# Altium PCB TAUV-Regulated_Power_board.PcbDoc (part 2 of 2) (continued)
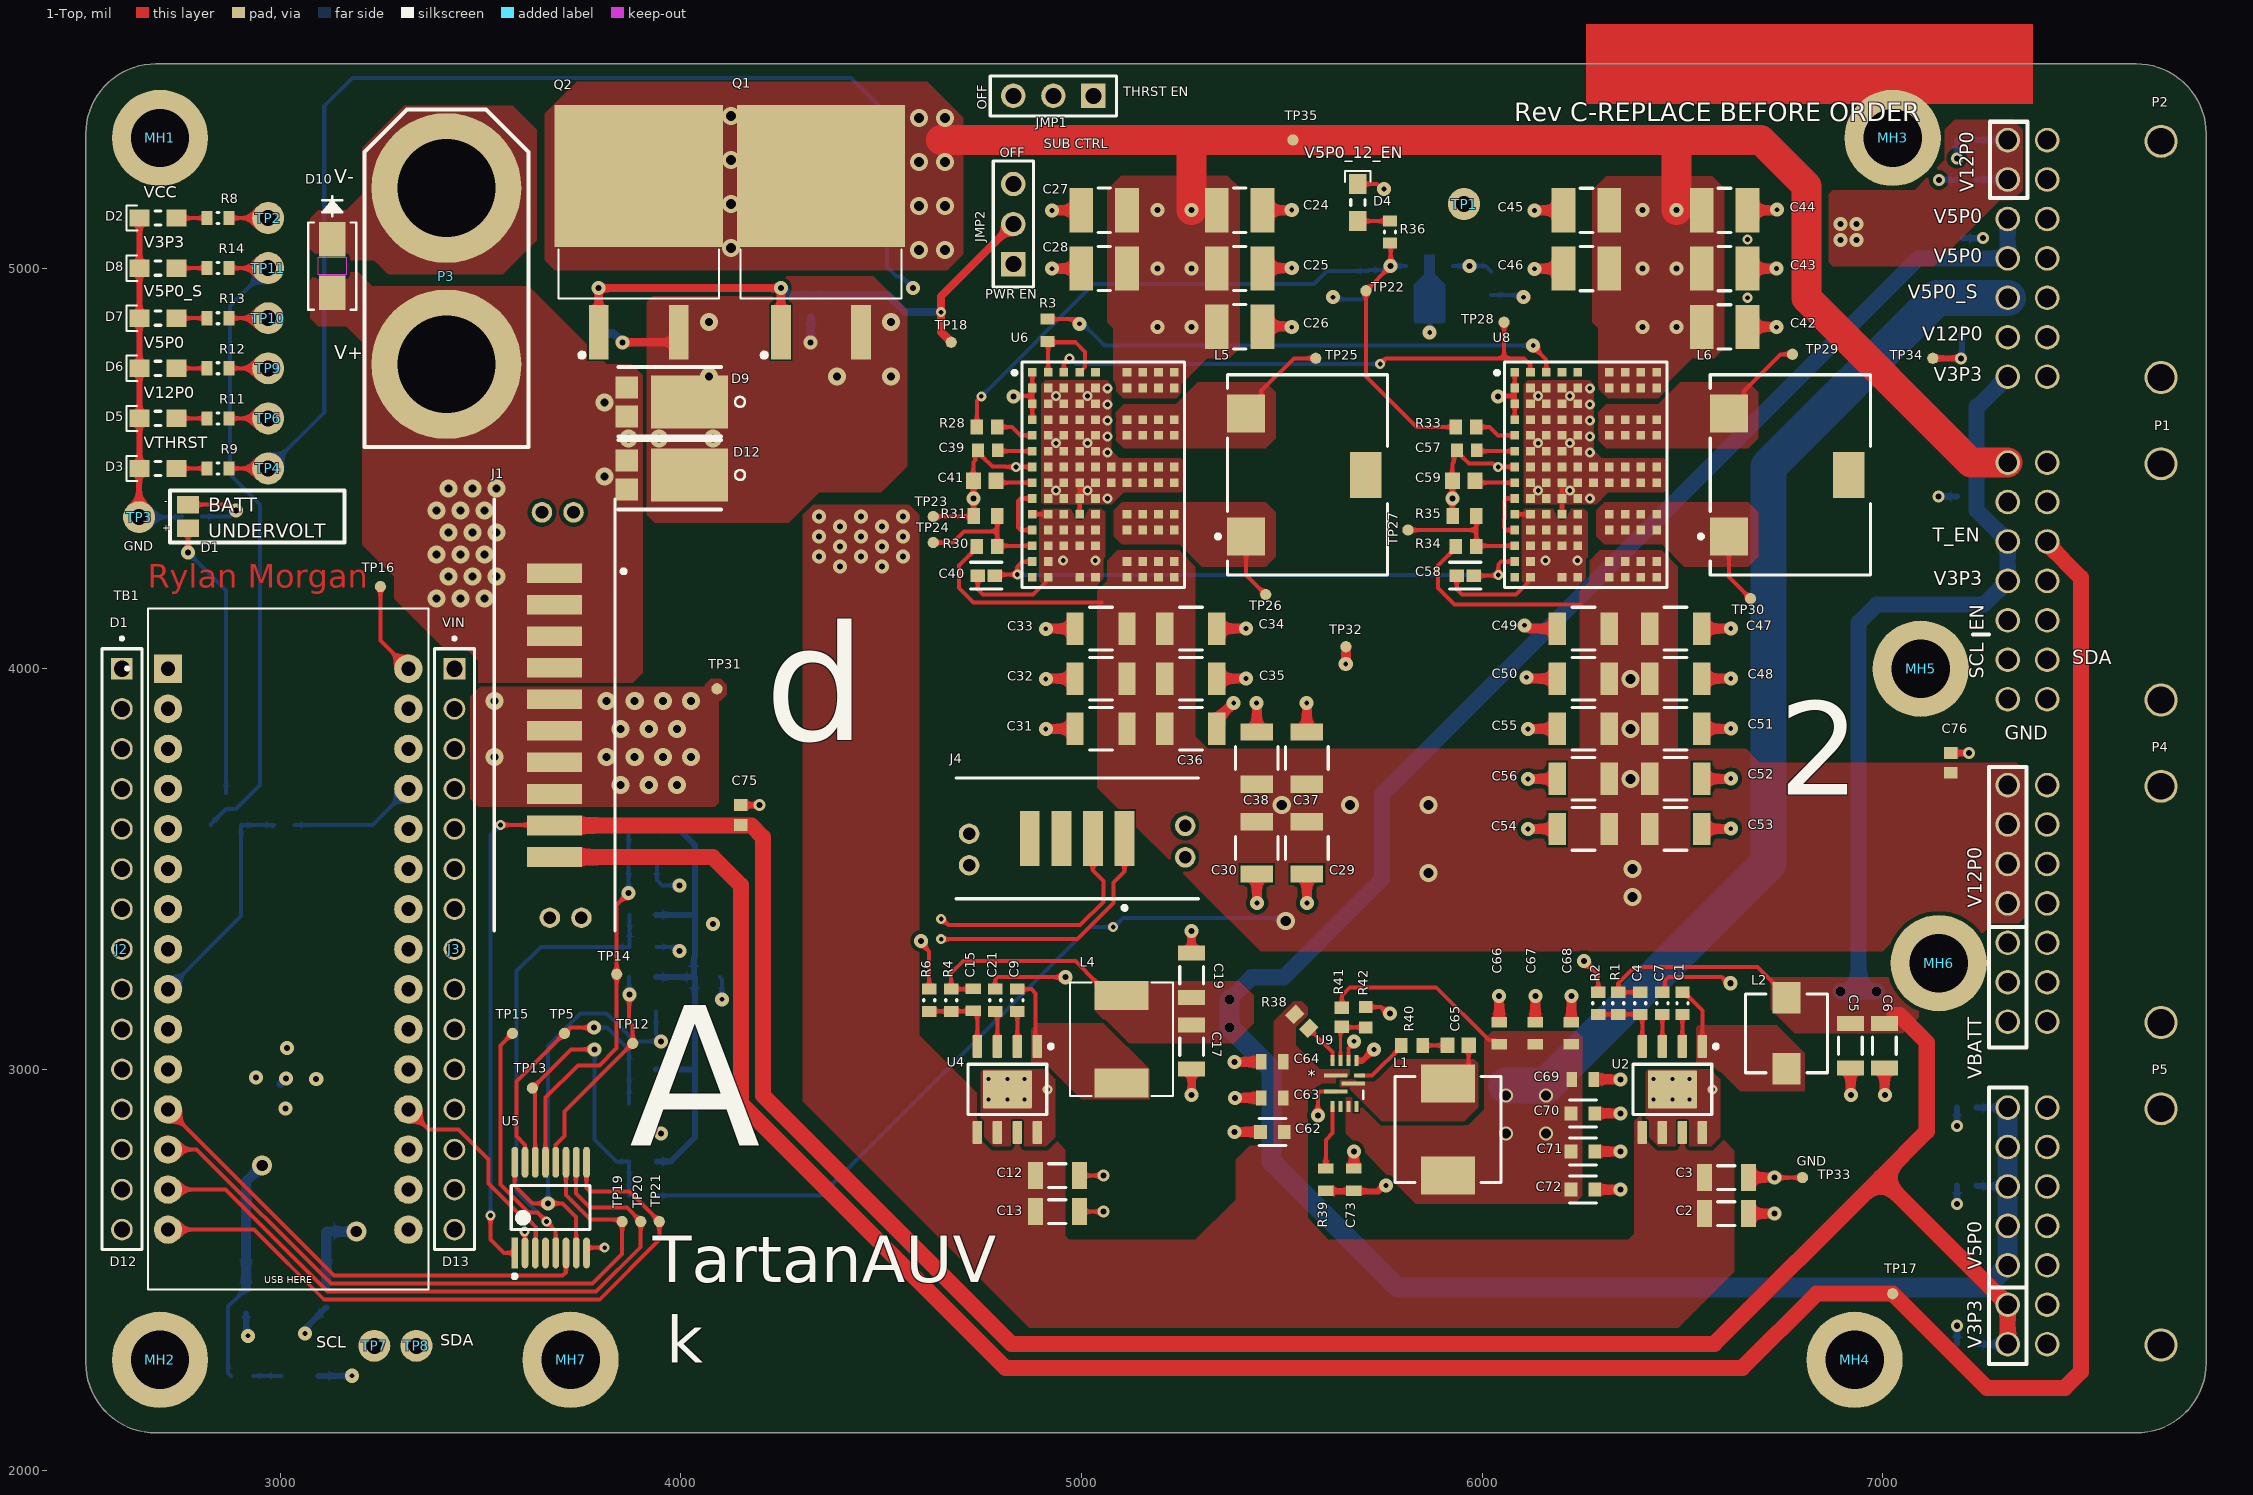
[diagram p0: 1-Top view]
## Nets (pads, with @x,y where several pads share a name; then routed paths per layer and width w, separated by ;. In a path a pad name is that pad's centre, name@x,y a point inside that pad or via, vN(x,y) a via of type N, cw(c..) or ccw(c..) an arc to the next point about the centre after c; other vN are vias at no path point) (continued)
  3-Signal1 w40: JMP1.2@4930,5430 4930,5305 4980,5255 6560,5255 7220,4595 7464.84,4595 7505,4554.84 7505,4418.02 7410.55,4323.57 P1.10@7410.55,4317.77
THRUST_Sense: J4.2 U5.2 | length 2338.4
  1-Top w10: v2(3610.42,2595.36) 3610.72,2595.06 3610.72,2542.1 U5.2@3611.02,2541.8 ; v2(4650,3375) 4652.71,3375 4667.71,3360 4997,3360 5055,3418 5055,3470 5028.74,3496.26 J4.2@5028.74,3576.34
  3-Signal1 w10: v1(4080,3362.5) 4084.13,3366.63 4364.05,3366.63 4372.42,3375 v2(4650,3375)
  4-Hi_PWR w10: v2(3610.42,2595.36) 3613.43,2595.36 3623.78,2585 3830,2585 4070,2825 4070,3188.46 4075.87,3194.33 4075.87,3358.37 v1(4080,3362.5)
V3P3: C4.1 C5.1 C6.1 C20.1 C74.1 C75.1 J1.9 JMP1.1 L2.2 P1.3 P1.4 P2.7 P5.6 P5.7 Q3.2 R1.1 R14.2 TP11.1 U5.1 | length 18659.3
  1-Top w10: R14.2@2872.56,5000 TP11.1@2970,5000 ; v2(3525,2635) 3525,2575 3558.2,2541.8 U5.1@3585.43,2541.8 ; v2(3550,3610) 3683.82,3610 J1.9@3685,3608.82 ; C4.1@6395,3192.56 R1.1@6340,3192.56 6340.48,3193.04 6340.48,3215.48 6380,3255 6687.52,3255 6760,3182.52 L2.2@6760,3178.58
  1-Top w40: J1.9@3685,3608.82 4176.18,3608.82 4205,3580 4205,2935 4825,2315 6580,2315 6994.81,2729.81 ; 7030,3135.12 7042.17,3135.12 7110,3067.28 7110,2845 6994.81,2729.81 ; P5.7@7312.13,2314.07 P5.6@7312.13,2412.5 6994.81,2729.81
  3-Signal1 w10: TP11.1@2970,5000 3200,4770 3200,4280 3345,4135 4415,4135 5100,3450 6127.5,3450 6187.5,3390 6530,3390 6724.52,3195.48 6894.52,3195.48 v8(6895,3195) v8(6985,3195)
  3-Signal1 w40: JMP1.1@5030,5430 5030,5343.43 5053.43,5320 6805,5320 7251.42,4873.58 7251.42,4789.78 P2.7@7312.13,4729.07
  6-Bottom w10: Q3.2@2827.21,3610.24 Q3.2@2827.6,3610.63 2827.6,3612.6 2865,3650 2890,3650 2950,3710 2950,4410 2875,4485 2875,4905 TP11.1@2970,5000 ; v2(3525,2635) 3525,3585 v2(3550,3610)
  6-Bottom w15: C20.1@7234.61,2314.07 P5.7@7312.13,2314.07
  6-Bottom w40: v8(6895,3195) 6940,3195 ; v8(6985,3195) 6940,3195 ; 7234.61,4655 C74.1@7234.61,4430 7234.61,4395.29 P1.3@7312.13,4317.77 7312.13,4219.35 7252.78,4160 6985,4160 6940,4115 6940,3195 ; 7238.05,4655 P2.7@7312.13,4729.07
V5P0: C8.1 C10.1 C11.1 C15.1 C17.1 C19.1 L4.2 P2.3 P2.4 P5.1 P5.2 P5.3 P5.4 P5.5 R4.1 R12.2 R17.1 TP9.1 U5.7 U5.16 | length 12399.5
  1-Top w10: R12.2@2872.56,4750 TP9.1@2970,4750 ; U5.16@3585.43,2768.2 3585.43,2709.57 3629.5,2665.5 v1(3668.76,2665.5) 3704.5,2665.5 3738.98,2631.02 U5.7@3738.98,2541.8 ; C15.1@4733.94,3200.12 4730,3200.12 C15.1@4730,3200.9 4729.61,3200.51 4675.39,3200.51 R4.1@4675,3200.12 4675,3240 4705,3270 4985.02,3270 5038.07,3216.95 5038.07,3215.67 5069.49,3184.25 L4.2@5100,3184.25
  3-Signal1 w10: TP9.1@2970,4750 3160,4560 3160,4263.43 3328.43,4095 4390,4095 5155,3330 5220,3330 v8@5375,3175 ; v1(3950,3070) 5295,3070 5330,3105 v8(5370,3105)
  6-Bottom w10: v1(3668.76,2665.5) 3668.76,3058.76 3750,3140 3815,3140 3840.38,3114.62 3840.38,3113.03 3849.17,3104.25 3850.75,3104.25 3885,3070 v1@3945.22,3070 ; R17.1@3938.25,3145 3938.25,3088.36 v1@3948.52,3078.09 ; v1@3945.22,3074.78 v1(3950,3070)
  6-Bottom w15: C10.1@7234.41,2709.8 C10.1@7234.61,2710 ; C8.1@7234.61,2904.63 P5.1@7312.13,2904.63 ; C10.1@7235.29,2708.86 7235.83,2708.32 7311.58,2708.32 P5.3@7312.13,2707.78
  6-Bottom w40: v8(5370,3175) 5425,3230 5505,3230 5750,3475 5750,3685 7089.35,5024.35 7200,5024.35 7312.13,5024.35 P2.3@7312.13,5122.77
  6-Bottom w50: v8(5370,3175) v8(5370,3105) 5475,3000 5475,2770 5790,2455 7256.2,2455 P5.5@7312.13,2510.92 P5.4@7312.13,2609.35 P5.3@7312.13,2707.78 P5.2@7312.13,2806.2 P5.1@7312.13,2904.63
V5P0_12V_EN: C23.1 R28.2 R33.2 R36.2 TP22.1 U7.1 | length 1911.9
  1-Top w10: R28.2@4738.98,4603.36 4738.98,4668.98 v2(4750,4680) ; R36.2@5770,5062.44 5772.05,5060.39 v1(5772.05,5005.55) TP22.1@5710,4943.5 5710,4730 5836.64,4603.36 R33.2@5934.71,4603.36
  6-Bottom w10: v2(4750,4680) 5030,4960 5580,4960 5612.56,4992.56 C23.1@5715,4992.56 5717.72,4995.28 5755.01,4995.28 5765.29,5005.55 U7.1@5809.69,5005.55
V5P0_ARD: J3.04 R26.2 TB1.27 | length 436.7
  3-Signal1 w10: TB1.27@3320,3700 J3.04@3435,3700
  6-Bottom w10: R26.2@3035.59,3610 3230,3610 TB1.27@3320,3700
V5P0_S_Sense: R10.2 R21.2 TP5.1 U5.15 | length 704.6
  1-Top w10: U5.15@3611.02,2768.2 3611.02,2811.7 3589.41,2833.31 3589.41,2969.71 TP5.1@3709.7,3090 3710.41,3090 3724.49,3104.08 v1(3783.13,3104.08)
  6-Bottom w10: v1(3783.13,3104.08) 3815.92,3104.08 3871.26,3048.74 R21.2@3871.26,3000 R10.2@3871.26,2915
V5P0_Sense: R17.2 R22.2 TP12.1 U5.12 | length 588.6
  1-Top w10: U5.12@3687.8,2768.2 3687.8,2811.7 3710,2833.9 3710,2895 TP12.1@3880,3065 3880,3110 3871.26,3118.74 3871.26,3186.26 v1(3872.5,3187.5)
  6-Bottom w10: R17.2@3871.26,3145 3872.5,3146.24 v1(3872.5,3187.5) ; v1@3871.26,3187.5 R22.2@3871.26,3230
V5P0_Servo: C14.1 C66.1 C67.1 C68.1 C69.1 C70.1 C71.1 C72.1 L1.2 P2.5 R10.1 R13.2 R41.1 TP10.1 U9.5 | length 10018.3
  1-Top w10: R13.2@2872.56,4875 TP10.1@2970,4875 ; R41.1@5650,3153.62 5650,3185 5670,3205 5885,3205 6016.74,3073.26 6031,3073.26 C66.1@6042.89,3061.38
  3-Signal1 w10: TP10.1@2970,4875 3180,4665 3180,4271.72 3336.72,4115 4406.72,4115 5131.72,3390 5320,3390 5529.88,3180.12 5889.88,3180.12 6060,3010 v9(6060,2935)
  4-Hi_PWR w10: TP10.1@2970,4875 2975,4875 3130,4720 3130,4260 3305,4085 3460,4085 3580,3965 3580,3695 3827.63,3447.37 3827.63,2962.37 v1(3950,2840)
  6-Bottom w10: R10.1@3938.25,2915 3938.25,2858.36 3950,2846.61 v1(3950,2840)
  6-Bottom w90: 6060,2960 6160,2960 6715,3515 6715,4505 7135.92,4925.92 P2.5@7312.13,4925.92
  other v9: 6060,2840 6160,2840 6160,2935
V12P0: C29.1 C30.1 C31.1 C32.1 C33.1 C34.1 C35.1 C36.1 C37.1 C38.1 C47.1 C48.1 C49.1 C50.1 C51.1 C52.1 C53.1 C54.1 C55.1 C56.1 C76.1 C77.1 C78.1 P2.1 P2.2 P2.6 P4.1 P4.2 P4.3 P4.4 R11.2 R18.1 R30.2 R34.2 TP6.1 U6.G13 U6.G14 U6.H13 U6.H14 U6.J13 U6.J14 U6.K13 U6.K14 U8.G13 U8.G14 U8.H13 U8.H14 U8.J13 U8.J14 U8.K13 U8.K14 | length 5855.2
  1-Top w10: R11.2@2872.56,4625 TP6.1@2970,4625 ; R30.2@4738.98,4305.2 4738.98,4302.24 4694.57,4257.83 4694.57,4201.05 4730.62,4165 5050.28,4165 ; R34.2@5934.71,4305.2 5934.71,4302.24 5890.31,4257.83 5890.31,4201.05 5931.36,4160 6245.3,4160
  1-Top w15: C76.1@7170,3740.39 C76.1@7170.2,3740.59
  3-Signal1 w10: TP6.1@2970,4625 3140,4455 3140,4255.15 3320.15,4075 4359.9,4075 v2(5079.4,3355.49)
  6-Bottom w10: R18.1@3938.25,2685 4350,2685 5020.49,3355.49 v2(5079.4,3355.49) 5081.75,3355.49 5103.75,3377.5 5493.03,3377.5 5500.53,3370 v5(5510,3370)
  6-Bottom w15: C78.1@7234.41,5319.8 C78.1@7234.61,5320 7234.79,5319.81 7311.94,5319.81 P2.1@7312.13,5319.63 ; C77.1@7234.8,5221.4 C77.1@7234.61,5221.2 P2.2@7312.13,5221.2
  other v1: 6895,5070 6935,5070 6895,5110 6935,5110
  other v5: 6375,3430 5866.09,3490 6375,3500 5500,3660 5670,3660 5866.09,3660 6370,3725 6370,3850 6370,3975
V12P0_ARD: C61.1 J3.01 R37.2 TB1.30 TP16.1 U1.3 | length 2289.4
  1-Top w10: TP16.1@3250,4205 3250,4070 TB1.30@3320,4000
  4-Hi_PWR w25: v10(2955,2760) 3170,2975 3170,3850 TB1.30@3320,4000 J3.01@3435,4000
  6-Bottom w10: R37.2@2877.44,2235 2870,2242.44 2870,2407.56 2902.28,2439.84 C61.1@2902.28,2443.78
  6-Bottom w25: C61.1@2915,2452.56 U1.3@2915,2593.94 2915,2720 v10(2955,2760)
V12P0_Sense: R18.2 R23.2 TP13.1 U5.14 | length 802.7
  1-Top w10: U5.14@3636.61,2768.2 3636.61,2941.06 3629.41,2948.27 TP13.1@3629.41,2953.14 3726.27,3050 v1(3785,3050)
  6-Bottom w10: v1(3785,3050) 3785,2825 3840,2770 R23.2@3871.26,2770 R18.2@3871.26,2685
V12P0_SYNC0: TP28.1 U6.C1 U8.B1 | length 1319.1
  1-Top w10: U6.C1@4956.26,4739.96 4956.26,4761.26 v2(4970,4775) ; v2(5745.79,4760.79) 5760,4775 6055,4775 ; TP28.1@6055,4865 6055,4775 ; U8.B1@6120.83,4739.96 6120.07,4740.72 6120.07,4759.93 6105,4775 6080,4775 6055,4775
  6-Bottom w10: v2(4970,4775) 4972.71,4775 4986.92,4760.79 v2(5745.79,4760.79)
V12P0_SYNC1: R3.1 U8.C1 | length 1323.9
  1-Top w10: R3.1@4915,4872.56 4957.99,4872.56 4958.1,4872.44 4990.52,4872.44 4995.49,4867.48 v3(4995.49,4861.07) ; v3(6127.55,4806.8) 6127.55,4804.52 6160.2,4771.87 U8.C1@6160.2,4739.96
  6-Bottom w10: v3(4995.49,4861.07) 5003.36,4861.07 5025.69,4838.74 5026.19,4838.74 5058.13,4806.8 v3(6127.55,4806.8)
VBAT: D9.1 D10.2 D12.1 J1.1 J1.2 J1.3 J1.4 P3.2
  other v4: 3390,4175 3450,4175 3510,4175 3420,4230 3480,4230 3540,4230 3390,4285 3450,4285 3510,4285 3420,4340 3480,4340 3540,4340 3390,4395 3450,4395 3510,4395 3420,4450 3480,4450 3540,4450 3810,4480 3870,4575 3810,4665
VBAT_THRUSTERS: J4.1 P1.2 R9.2 R24.1 TP4.1 | length 9162
  1-Top w10: R9.2@2872.56,4500 TP4.1@2970,4500 ; v2(4650,3325) 4990.28,3325 5080.61,3415.33 5080.61,3466.61 5107.48,3493.48 J4.1@5107.48,3576.34
  3-Signal1 w10: TP4.1@2970,4500 3045,4500 3120,4425 3120,4246.86 3311.86,4055 3490,4055 3580,3965 3580,3650 3935,3295 v1(3996.85,3295) 4380.47,3295 4437.97,3352.5 4622.5,3352.5 v2(4650,3325) ; v1(4580,4950) 5604.7,4950 5614.7,4960 6768.33,4960 P1.2@7312.13,4416.2
  6-Bottom w10: TP4.1@2970,4500 3110,4640 3110,5405 3180,5475 4425,5475 4515,5385 4515,5002.5 4538.86,4978.64 4551.36,4978.64 v1(4580,4950) ; R24.1@3939.25,3305.88 3994.12,3305.88 v1@3995,3305
VCC_BATT_FILT: C2.1 C3.1 C12.1 C13.1 C22.2 C24.1 C25.1 C26.1 C27.1 C28.1 C42.1 C43.1 C44.1 C45.1 C46.1 C60.2 C62.1 C63.1 C64.1 P1.1 P4.5 P4.6 P4.7 Q1.4 Q2.4 R8.2 R19.1 R38.1 TP2.1 TP35.1 U1.1 U2.5 U2.7 U4.5 U4.7 U6.G1 U6.G2 U6.H1 U6.H2 U6.J1 U6.J2 U6.K1 U6.K2 U7.3 U8.G1 U8.G2 U8.H1 U8.H2 U8.J1 U8.J2 U8.K1 U8.K2 U9.1 | length 8030
  1-Top w10: R8.2@2872.56,5125 TP2.1@2970,5125
  1-Top w75: 4650,5320 5273.85,5320 ; v1(5275,5145) 5275,5318.85 5273.85,5320 ; v1(6485.19,5144.74) 6485.19,5317.7 6482.89,5320 ; P1.1@7312.13,4514.63 7220.37,4514.63 6810,4925 6810,5205 6695,5320 6482.89,5320 ; 5273.85,5320 6482.89,5320
  4-Hi_PWR w10: TP2.1@2970,5125 2970,5220 3207.01,5457.01 4042.99,5457.01 4455,5045 v5(4595,5045) ; v1(3996.85,3459.37) 3997.48,3460 4215,3460 4255,3420
  4-Hi_PWR w25: v10(3190,2595) 3335,2450 4560,2450 4785,2675
  6-Bottom w10: R19.1@3940,3513.5 3940,3472.73 3953.36,3459.37 v1(3996.85,3459.37) ; U7.3@5927.8,5005.55 6008.76,5005.55 C22.2@6022.68,4991.63
  6-Bottom w25: C60.2@3115,2464.15 U1.1@3115,2593.94 3116.06,2595 v10(3190,2595)
  other v1: 4397.5,4255 4502.5,4255 4345,4280 4450,4280 4555,4280 4397.5,4305 4502.5,4305 4345,4330 4450,4330 4555,4330 4397.5,4355 4502.5,4355 4345,4380 4450,4380 4555,4380 5190,4852.5 5275,4852.5 6400.19,4852.5 6485.19,4852.5 6400.19,4999.29 6485.19,4999.29 5190,4999.55 5275,4999.55 5968.28,5005.55 5190,5145 6400.19,5144.74
  other v5: 4660,5045 4125,5050 4595,5155 4660,5155 4125,5160 4595,5265 4660,5265 4125,5270 4595,5375 4660,5375 4125,5380
VCC_Sense: R19.2 R20.2 TP14.1 U5.13 | length 949.4
  1-Top w10: U5.13@3662.2,2768.2 3662.2,2929.36 3742.84,3010 3796.72,3010 3840,3053.28 TP14.1@3840,3237.5 3840,3410 v1(3870,3440)
  6-Bottom w10: v1(3870,3440) R20.2@3870,3600
VTHRUST_Sense: R24.2 R25.2 TP15.1 U5.5 | length 1674.3
  1-Top w10: TP15.1@3580,3090 3550,3060 3550,2713.21 3620.36,2642.86 3642.14,2642.86 3687.8,2597.2 U5.5@3687.8,2541.8
  6-Bottom w10: v2(3665,2620) 3590,2695 3590,3245 3650.88,3305.88 R24.2@3872.25,3305.88 3872.25,3385.13 R25.2@3871.5,3385.88
pads on no net: J1.11 J1.12 J1.13 J1.14 J4.3 J4.4 J4.5 J4.6 J4.7 J4.8 JMP1.3 JMP2.3 L5.3 L6.3 P1. P2. P4. P5. U5.4 U6.A14 U6.E1 U8.A14 U8.D1 U8.E1 U9.4 U9.6

## Polygon pours and split planes (outlines as drawn)
NetD9_2 on 1-Top "NETD9_2_L01_P212" (solid, pour order 212): 4345,4440 4500,4440 4565,4505 4565,4660 4565,4895 4480,4980 3980,4980 3915,4915 3915,4385 3935,4365 4270,4365
V12P0 on 1-Top "V12P0_L01_P201" (solid, pour order 201): 5284.57,3457.43 5447,3295 7000.19,3295 7030.19,3325 7235,3325 7275,3365 7340,3365 7360,3385 7360,3740 7335,3765 6695,3765 6660,3800 5895,3800 5284.57,3800 5284.57,3560.2
VCC_BATT_FILT on 1-Top "VCC_BATT_FILT_L01_P163" (solid, pour order 163): 4747.5,2932.5 4960,2720 4960,2487.5 4737.5,2487.5 4305,2920 4305,4385 4330,4410 4570,4410 4595,4385 4595,3085
VCC_BATT_FILT on 1-Top "VCC_BATT_FILT_L01_P208" (solid, pour order 208): 4815.55,2913.94 4815.55,2875.55 4795,2855 4880,2770 4895,2770 4955,2710 4960,2715 4960,2800 4875,2885 4875,2913.94
V5P0_Servo on 1-Top "V5P0_SERVO_L01_P205" (solid, pour order 205): 5660,2930 5660,2840 5835,2665 6230,2665 6250,2685 6250,3080 6235,3095 6025,3095 6005,3075 6005,2900 5965,2860 5755,2860 5685,2930
VCC_BATT_FILT on 1-Top "VCC_BATT_FILT_L01_P204" (solid, pour order 204): 5565,3135 5535,3105 5535,3060 5595,3000 5669.53,3000 5669.53,2994.53 5669.53,2965 5600,2965 5565,2930 5565,2790 5555,2780 5515,2780 5480,2815 5480,3120 5530,3170 5550,3170 5565,3155
NetC65_2 on 1-Top "NETC65_2_L01_P203" (solid, pour order 203): 5645,2975 5645,2955 5665,2955 5750,2870 5955,2870 5990,2905 5990,3015 5980,3025 5790,3025 5740,2975
V12P0 on 1-Top "V12P0_L01_P181" (solid, pour order 181): 7020,5195 6875,5195 6865,5185 6865,5015 6875,5005 7127.5,5005 7292.5,5170 7325,5170 7350,5195 7350,5345 7325,5370 7180,5370 7155,5345 7155,5270 7080,5195
VCC_BATT_FILT on 1-Top "VCC_BATT_FILT_L01_P149" (solid, pour order 149): 6402.94,2892.94 6534.56,2892.94 6552.5,2875 6630,2797.5 6630,2590 6380,2590 6380,2870
VBAT on 1-Top "3" (solid, pour order 147): 3410,4050 3465,4050 3495,4020 3495,3965 3880,3965 3905,3990 3905,4733 3878,4760 3815,4760 3620,4955 3230,4955 3195,4990 3095,4990 3075,4970 3075,4875 3095,4855 3165,4855 3205,4815 3205,4310 3285,4230 3285,4175
GND on 1-Top "GND_L01_P140" (solid, pour order 140): 3310,5405 3205,5300 3205,5185 3165,5145 3095,5145 3075,5125 3075,5047.5 3102.5,5020 3235,5020 3270,4985 3555,4985 3640,5070 3640,5345 3580,5405
V3P3 on 1-Top "V3P3_L01_P139" (solid, pour order 139): 7050,3230 7090,3190 7090,3130 7050,3090 6780,3090 6720,3150 6720,3230
NetC9_2 on 1-Top "NETC9_2_L01_P133" (solid, pour order 133): 4930,2995 4880,2995 4875,3000 4875,3100.35 4889.65,3115 5055,3115 5170,3000 5170,2925 5000,2925
GND on 1-Top "GND_L01_P114" (solid, pour order 114): 4912.52,2807.52 4935,2830 4935,2975 4910,3000 4755,3000 4748.84,2993.84 4748.84,2838.2 4779.52,2807.52
GND on 1-Top "GND_L01_P106" (solid, pour order 106): 6572.52,2807.52 6595,2830 6595,2975 6570,3000 6415,3000 6408.84,2993.84 6408.84,2838.2 6439.52,2807.52
GND on 1-Top "GND_L01_P193" (solid, pour order 193): 6298.5,4525.2 6278.5,4545.2 6278.5,4710.2 6268.5,4720.2 6113.5,4720.2 6103.5,4710.2 6103.5,4415.2 6108.5,4410.2 6285.2,4410.2 6315.2,4440.2 6453.5,4440.2 6463.5,4450.2 6463.5,4515.2 6453.5,4525.2
GND on 1-Top "GND_L01_P191" (solid, pour order 191): 5094.57,4525.2 5074.57,4545.2 5074.57,4710.2 5064.57,4720.2 4909.57,4720.2 4899.57,4710.2 4899.57,4415.2 4904.57,4410.2 5075.2,4410.2 5105.2,4440.2 5249.57,4440.2 5259.57,4450.2 5259.57,4515.2 5249.57,4525.2
NetC1_2 on 1-Top "NETC1_2_L01_P152" (solid, pour order 152): 6595,2995 6545,2995 6535,3005 6535,3105 6540,3110 6735,3110 6805,3040 6805,2945 6645,2945
GND on 1-Top "GND_L01_P160" (solid, pour order 160): 4095,3920 4100,3920 4115,3935 4115,3960 4100,3975 4075,3975 4060,3960 4060,3955 3500,3955 3475,3930 3475,3675 3495,3655 4085,3655 4095,3665
VCC_BATT_FILT on 1-Top "VCC_BATT_FILT_L01_P164" (solid, pour order 164): 4737.5,2590 4737.5,2487.5 4870,2355 6490,2355 6630,2495 6630,2590 6380,2590 6365,2575 5812.5,2575 5510,2575 4970,2575 4955,2590
SGND on 1-Top "SGND_L01_P197" (solid, pour order 197): 6108.5,4400.2 6098.5,4390.2 6098.5,4220.2 6113.5,4205.2 6248.5,4205.2 6263.5,4220.2 6263.5,4390.2 6253.5,4400.2
SGND on 1-Top "SGND_L01_P192" (solid, pour order 192): 4904.57,4400.2 4894.57,4390.2 4894.57,4220.2 4909.57,4205.2 5044.57,4205.2 5059.57,4220.2 5059.57,4390.2 5049.57,4400.2
VCC_BATT_FILT on 1-Top "VCC_BATT_FILT_L01_P206" (solid, pour order 206): 5275,2565 5385,2675 5385,2775 5420,2810 5475,2810 5485,2820 5560,2820 5565,2815 5565,2630 5625,2565
V5P0 on 1-Top "V5P0_L01_P138" (solid, pour order 138): 5395,3220 5430,3185 5430,3115 5380,3065 5115,3065 5035,3145 5035,3220
V12P0 on 1-Top "V12P0_L01_P189" (solid, pour order 189): 5284.57,3831.43 5362,3754 5362,3495 5318,3451 5291,3451 5039,3703 5039.57,3799 5039.57,4195.2 5064.57,4220.2 5064.57,4270.2 5089.57,4295.2 5244.57,4295.2 5284.57,4255.2
VCC_BATT_FILT on 1-Top "VCC_BATT_FILT_L01_P134" (solid, pour order 134): 3685,4995 3660,5020 3660,5385 3740,5465 4615,5465 4705,5375 4705,5035 4665,4995
VCC_BATT_FILT on 1-Top "VCC_BATT_FILT_L01_P200" (solid, pour order 200): 6289.75,4699.93 6314.75,4674.93 6449.75,4674.93 6459.75,4684.93 6459.75,4709.93 6524.75,4774.93 6579.75,4774.93 6604.75,4799.93 6604.75,5199.93 6574.75,5229.93 6309.75,5229.93 6274.75,5194.93 6274.75,4864.93 6289.75,4849.93
VCC_BATT_FILT on 1-Top "VCC_BATT_FILT_L01_P199" (solid, pour order 199): 5079.57,4700.2 5104.57,4675.2 5239.57,4675.2 5249.57,4685.2 5249.57,4710.2 5314.57,4775.2 5369.57,4775.2 5394.57,4800.2 5394.57,5200.2 5364.57,5230.2 5099.57,5230.2 5064.57,5195.2 5064.57,4865.2 5079.57,4850.2
V12P0 on 1-Top "V12P0_L01_P190" (solid, pour order 190): 6448.5,4295.2 6488.5,4255.2 6488.5,3560.2 6458.5,3530.2 6273.5,3530.2 6243.5,3560.2 6243.5,4195.2 6268.5,4220.2 6268.5,4270.2 6293.5,4295.2
NetL5_1 on 1-Top "NETL5_1_L01_P188" (solid, pour order 188): 5100.63,4415.2 5080.63,4395.2 5080.63,4330.2 5100.63,4310.2 5245.63,4310.2 5300.63,4255.2 5460.63,4255.2 5485.63,4280.2 5485.63,4390.2 5460.63,4415.2
NetL5_2 on 1-Top "NETL5_2_L01_P186" (solid, pour order 186): 5105.63,4660.2 5085.63,4640.2 5085.63,4570.2 5105.63,4550.2 5460.63,4550.2 5485.63,4575.2 5485.63,4690.2 5460.63,4715.2 5290.63,4715.2 5235.63,4660.2
NetL6_1 on 1-Top "NETL6_1_L01_P185" (solid, pour order 185): 6304.57,4415.2 6284.57,4395.2 6284.57,4330.2 6304.57,4310.2 6449.57,4310.2 6504.57,4255.2 6664.57,4255.2 6689.57,4280.2 6689.57,4390.2 6664.57,4415.2
NetL6_2 on 1-Top "NETL6_2_L01_P184" (solid, pour order 184): 6309.57,4660.2 6289.57,4640.2 6289.57,4570.2 6309.57,4550.2 6664.57,4550.2 6689.57,4575.2 6689.57,4690.2 6664.57,4715.2 6494.57,4715.2 6439.57,4660.2
GND on 6-Bottom "GND_L06_P211" (solid, pour order 211): 3310,5405 3210,5305 3210,5040 3260,4990 3580,4990 3625,4945 3625,4105 3495,3975 3495,3695 3550,3640 4445,3640 4665,3860 4665,5240 4500,5405
SGND on 6-Bottom "SGND_L06_P196" (solid, pour order 196): 5954.57,4820.2 5869.57,4735.2 5869.57,4180.2 5944.57,4105.2 6449.57,4105.2 6514.57,4170.2 6514.57,4760.2 6454.57,4820.2
SGND on 6-Bottom "SGND_L06_P195" (solid, pour order 195): 4734.57,4825.2 4649.57,4740.2 4649.57,4185.2 4724.57,4110.2 5229.57,4110.2 5294.57,4175.2 5294.57,4765.2 5234.57,4825.2
VBAT on 6-Bottom "VBAT_L06_P210" (solid, pour order 210): 3230,4050 3540,4050 3610,4120 3610,4915 3552.5,4972.5 3262.5,4972.5 3135,4845 3135,4145
V5P0_Servo on 6-Bottom "V5P0_SERVO_L06_P207" (solid, pour order 207): 6005,2980 6005,2755 6025,2735 6180,2735 6205,2760 6205,2945 6145,3005 6030,3005
VCC_BATT_FILT on 4-Hi_PWR "VCC_BATT_FILT_L04_P177" (solid, pour order 177): 6740,2900 7190,3350 7350,3350 7365,3335 7365,3085 6685,2405 6437.72,2405 6445,2900
V12P0 on 4-Hi_PWR "V12P0_L04_P137" (solid, pour order 137): 6730,3765 6620,3655 6620,3460.01 6720.01,3360 7330,3360 7360,3390 7360,3740 7335,3765 7135,3765
V12P0 on 4-Hi_PWR "V12P0_L04_P136" (solid, pour order 136): 5245,3900 6095,4750 6580,4750 6770,4940 6770,5295 6845,5370 7320,5370 7350,5340 7350,5205 7320,5175 7290,5175 7265,5150 7265,4895 7285,4875 7330,4875 7350,4855 7350,4800 7325,4775 7270,4775 6935,4440 6935,3910 7105,3740 7105,3570 6830,3295 5405,3295 5245,3455
VCC_BATT_FILT on 4-Hi_PWR "VCC_BATT_FILT_L04_P135" (solid, pour order 135): 6730,4960 6570,4800 6059.62,4800 5210,3937.11 5210,3205 5515,2900 6445,2900 6485,2860 6485,2405 4880,2405 4170,3115 4170,4029.84 4170,5250 4345,5425 6675,5425 6730,5370
GND on 4-Hi_PWR "GND_L04_P157" (solid, pour order 157): 3320,5405 3215,5300 3215,5080 3305,4990 3620,4990 3775,4835 3775,4240 3640,4105 3640,3720 3770,3590 4065,3590 4145,3670 4145,5235 3975,5405 3325,5405
VBAT on 4-Hi_PWR "VBAT_L04_P154" (solid, pour order 154): 3340,4115 3630,4115 3760,4245 3760,4765 3552.5,4972.5 3262.5,4972.5 3205,4915 3205,4250
SGND on 3-Signal1 "SGND_L03_P215" (solid, pour order 215): 5954.57,4820.2 5869.57,4735.2 5869.57,4180.2 5944.57,4105.2 6449.57,4105.2 6514.57,4170.2 6514.57,4760.2 6454.57,4820.2
SGND on 3-Signal1 "SGND_L03_P214" (solid, pour order 214): 4734.57,4825.2 4649.57,4740.2 4649.57,4185.2 4724.57,4110.2 5229.57,4110.2 5294.57,4175.2 5294.57,4765.2 5234.57,4825.2
VCC_BATT_FILT on 3-Signal1 "VCC_BATT_FILT_L03_P213" (solid, pour order 213): 3685,4995 3660,5020 3660,5385 3740,5465 4615,5465 4705,5375 4705,5035 4665,4995
NetD9_2 on 3-Signal1 "NETD9_2_L03_P148" (solid, pour order 148): 4345,4440 4500,4440 4565,4505 4565,4660 4565,4870 4455,4980 3980,4980 3915,4915 3915,4385 3935,4365 4270,4365
GND on 5-GND2 (split plane): 2689.84,5489.9 7632.5,5489.9 7633.21,5489.97 7643.56,5489.6 7654.56,5488.42 7665.45,5486.46 7676.17,5483.72 7686.67,5480.23 7696.89,5475.99 7706.78,5471.04 7716.3,5465.39 7725.39,5459.08 7734,5452.14 7742.1,5444.6 7749.64,5436.5 7756.58,5427.89 7762.89,5418.8 7768.54,5409.28 7773.49,5399.39 7777.73,5389.17 7781.22,5378.67 7783.96,5367.95 7785.92,5357.06 7787.1,5346.06 7787.47,5335.71 7787.4,5335 7787.4,2267.5 7787.47,2266.79 7787.1,2256.44 7785.92,2245.44 7783.96,2234.55 7781.22,2223.83 7777.73,2213.33 7773.49,2203.11 7768.54,2193.22 7762.89,2183.7 7756.58,2174.61 7749.64,2166 7742.1,2157.9 7734,2150.36 7725.39,2143.42 7716.3,2137.11 7706.78,2131.46 7696.89,2126.51 7686.67,2122.27 7676.17,2118.78 7665.45,2116.04 7654.56,2114.08 7643.56,2112.9 7633.21,2112.53 7632.5,2112.6 2689.84,2112.6 2689.13,2112.53 2678.78,2112.9 2667.78,2114.08 2656.89,2116.05 2646.17,2118.78 2635.67,2122.28 2625.45,2126.51 2615.56,2131.46 2606.04,2137.11 2596.95,2143.42 2588.34,2150.36 2580.24,2157.9 2572.7,2166 2565.76,2174.62 2559.45,2183.7 2553.8,2193.22 2548.85,2203.11 2544.62,2213.34 2541.12,2223.83 2538.38,2234.56 2536.42,2245.44 2535.24,2256.45 2534.87,2266.79 2534.94,2267.5 2534.94,5335 2534.87,5335.71 2535.24,5346.06 2536.42,5357.06 2538.38,5367.95 2541.12,5378.67 2544.61,5389.17 2548.85,5399.39 2553.8,5409.28 2559.45,5418.8 2565.76,5427.89 2572.7,5436.5 2580.24,5444.6 2588.34,5452.14 2596.95,5459.08 2606.04,5465.39 2615.56,5471.04 2625.45,5475.99 2635.67,5480.23 2646.17,5483.72 2656.89,5486.46 2667.78,5488.42 2678.78,5489.6 2689.13,5489.97
GND on 2-GND1 (split plane): 2689.84,5489.9 7632.5,5489.9 7633.21,5489.97 7643.56,5489.6 7654.56,5488.42 7665.45,5486.46 7676.17,5483.72 7686.67,5480.23 7696.89,5475.99 7706.78,5471.04 7716.3,5465.39 7725.39,5459.08 7734,5452.14 7742.1,5444.6 7749.64,5436.5 7756.58,5427.89 7762.89,5418.8 7768.54,5409.28 7773.49,5399.39 7777.73,5389.17 7781.22,5378.67 7783.96,5367.95 7785.92,5357.06 7787.1,5346.06 7787.47,5335.71 7787.4,5335 7787.4,2267.5 7787.47,2266.79 7787.1,2256.44 7785.92,2245.44 7783.96,2234.55 7781.22,2223.83 7777.73,2213.33 7773.49,2203.11 7768.54,2193.22 7762.89,2183.7 7756.58,2174.61 7749.64,2166 7742.1,2157.9 7734,2150.36 7725.39,2143.42 7716.3,2137.11 7706.78,2131.46 7696.89,2126.51 7686.67,2122.27 7676.17,2118.78 7665.45,2116.04 7654.56,2114.08 7643.56,2112.9 7633.21,2112.53 7632.5,2112.6 2689.84,2112.6 2689.13,2112.53 2678.78,2112.9 2667.78,2114.08 2656.89,2116.05 2646.17,2118.78 2635.67,2122.28 2625.45,2126.51 2615.56,2131.46 2606.04,2137.11 2596.95,2143.42 2588.34,2150.36 2580.24,2157.9 2572.7,2166 2565.76,2174.62 2559.45,2183.7 2553.8,2193.22 2548.85,2203.11 2544.62,2213.34 2541.12,2223.83 2538.38,2234.56 2536.42,2245.44 2535.24,2256.45 2534.87,2266.79 2534.94,2267.5 2534.94,5335 2534.87,5335.71 2535.24,5346.06 2536.42,5357.06 2538.38,5367.95 2541.12,5378.67 2544.61,5389.17 2548.85,5399.39 2553.8,5409.28 2559.45,5418.8 2565.76,5427.89 2572.7,5436.5 2580.24,5444.6 2588.34,5452.14 2596.95,5459.08 2606.04,5465.39 2615.56,5471.04 2625.45,5475.99 2635.67,5480.23 2646.17,5483.72 2656.89,5486.46 2667.78,5488.42 2678.78,5489.6 2689.13,5489.97

## Other copper
1-Top:
  rectangle net GND: 6260,5410 7375,5665
  text "SEE TOP OVERLAY FOR DATE" at 6155,5705 h60
  text "Rylan Morgan" at 2670,4182.6 h100

## Silkscreen, mask and mechanical layers (free items; w line width, h text height)
Top Overlay:
  lines w10: 7225,4085 7265,4085 ; 7265,2454.95 7358.56,2454.95 ; 7265,2454.95 7265,2265 7358.56,2265 7358.56,2454.95 ; 7265,2454.95 7358.56,2454.95 ; 7265,2454.95 7265,2955 7358.56,2955 7358.56,2454.95 ; 7265,3355 7358.56,3355 ; 7265,3355 7265,3055 7358.56,3055 7358.56,3355 ; 7265,3355 7358.56,3355 ; 7265,3355 7265,3755 7358.56,3755 7358.56,3355 ; 2725,4315 3160,4315 3160,4445 2725,4445 2725,4425 2725,4315 ; 7267.65,5175.45 7361.22,5175.45 7361.22,5365.4 7267.65,5365.4 7267.65,5175.45
  text "THRST EN" at 5105,5420.46 h40
  text "OFF" at 4772.08,5395.85 h40 r90
  text "Rev C-REPLACE BEFORE ORDER" at 6080,5350.89 h80
  text "SUB CTRL" at 4905.8,5290.46 h40
  text "OFF" at 4795.85,5267.92 h40
  text "V5P0_12_EN" at 5556.51,5263.82 h50
  text "V-" at 3135,5200 h60
  text "V12P0" at 7239.34,5190 h60 r90
  text "VCC" at 2660,5165.55 h50
  text "V5P0" at 7128.02,5099.36 h60
  text "V3P3" at 2660,5040.55 h50
  text "V5P0" at 7128.02,5000.94 h60
  text "V5P0_S" at 2660,4918.82 h50
  text "PWR EN" at 4760,4915 h40
  text "V5P0_S" at 7062.76,4910.58 h60
  text "V12P0" at 7098.24,4805.66 h60
  text "V5P0" at 2660,4790.55 h50
  text "V+" at 3135,4760 h60
  text "V3P3" at 7127.88,4705.66 h60
  text "V12P0" at 2660,4665.55 h50
  text "VTHRST" at 2660,4540.58 h50
  text "-" at 2710,4405 h30
  text "BATT" at 2820,4380 h60
  text "+" at 2705,4337.25 h30
  text "UNDERVOLT" at 2820,4315 h60
  text "T_EN" at 7125,4304.28 h60
  text "GND" at 2610,4285.44 h40
  text "V3P3" at 7127.88,4195.94 h60
  text "D1" at 2575,4095 h40
  text "VIN" at 3405,4095.09 h40
  text "EN" at 7265,4095 h60 r90
  text "SDA" at 7472.87,3999.12 h60
  text "SCL" at 7264.31,3975 h60 r90
  text "GND" at 7305,3810.66 h60
  text "d" at 4210,3725 h500
  text "2" at 6740,3610 h400
  text "V12P0" at 7259.34,3403.43 h60 r90
  text "VBATT" at 7260,2975 h60 r90
  text "GND" at 6785,2750.44 h40
  text "A" at 3871.35,2695 h600
  text "D12" at 2575,2500.46 h40
  text "D13" at 3405,2500.44 h40
  text "V5P0" at 7259.34,2500 h60 r90
  text "USB HERE" at 2960,2460.34 h30
  text "TartanAUV" at 3930,2430 h200
  text "V3P3" at 7259.34,2303.15 h60 r90
  text "SDA" at 3400,2300.58 h50
  text "SCL" at 3090,2295.58 h50
  text "k" at 3963.44,2230 h200
Bottom Overlay:
  text "A" at 6655,3345 h1200
  text "V12P0_Ard" at 3130,2148.82 h50
Top Solder:
  text "Rylan Morgan" at 2670,4182.6 h100
Mechanical 7:
  lines w10: 2514.84,2267.5 ccw(c2689.84,2267.5) 2689.84,2092.5 7632.5,2092.5 ccw(c7632.5,2267.5) 7807.5,2267.5 7807.5,5335 ccw(c7632.5,5335) 7632.5,5510 2689.84,5510 ccw(c2689.84,5335) 2514.84,5335 2514.84,2267.5 ; 3195,3620 4245,3620 4245,5425 3195,5425 3195,3620

## Text inside footprints (layer, text, board x,y; h text height)
U9: Top Overlay "*" at 5565,2960 h50; Mechanical 13 "*" at 5588.88,2959.37 h50